# KiCad board jlcpcb_1x1.kicad_pcb (continued)
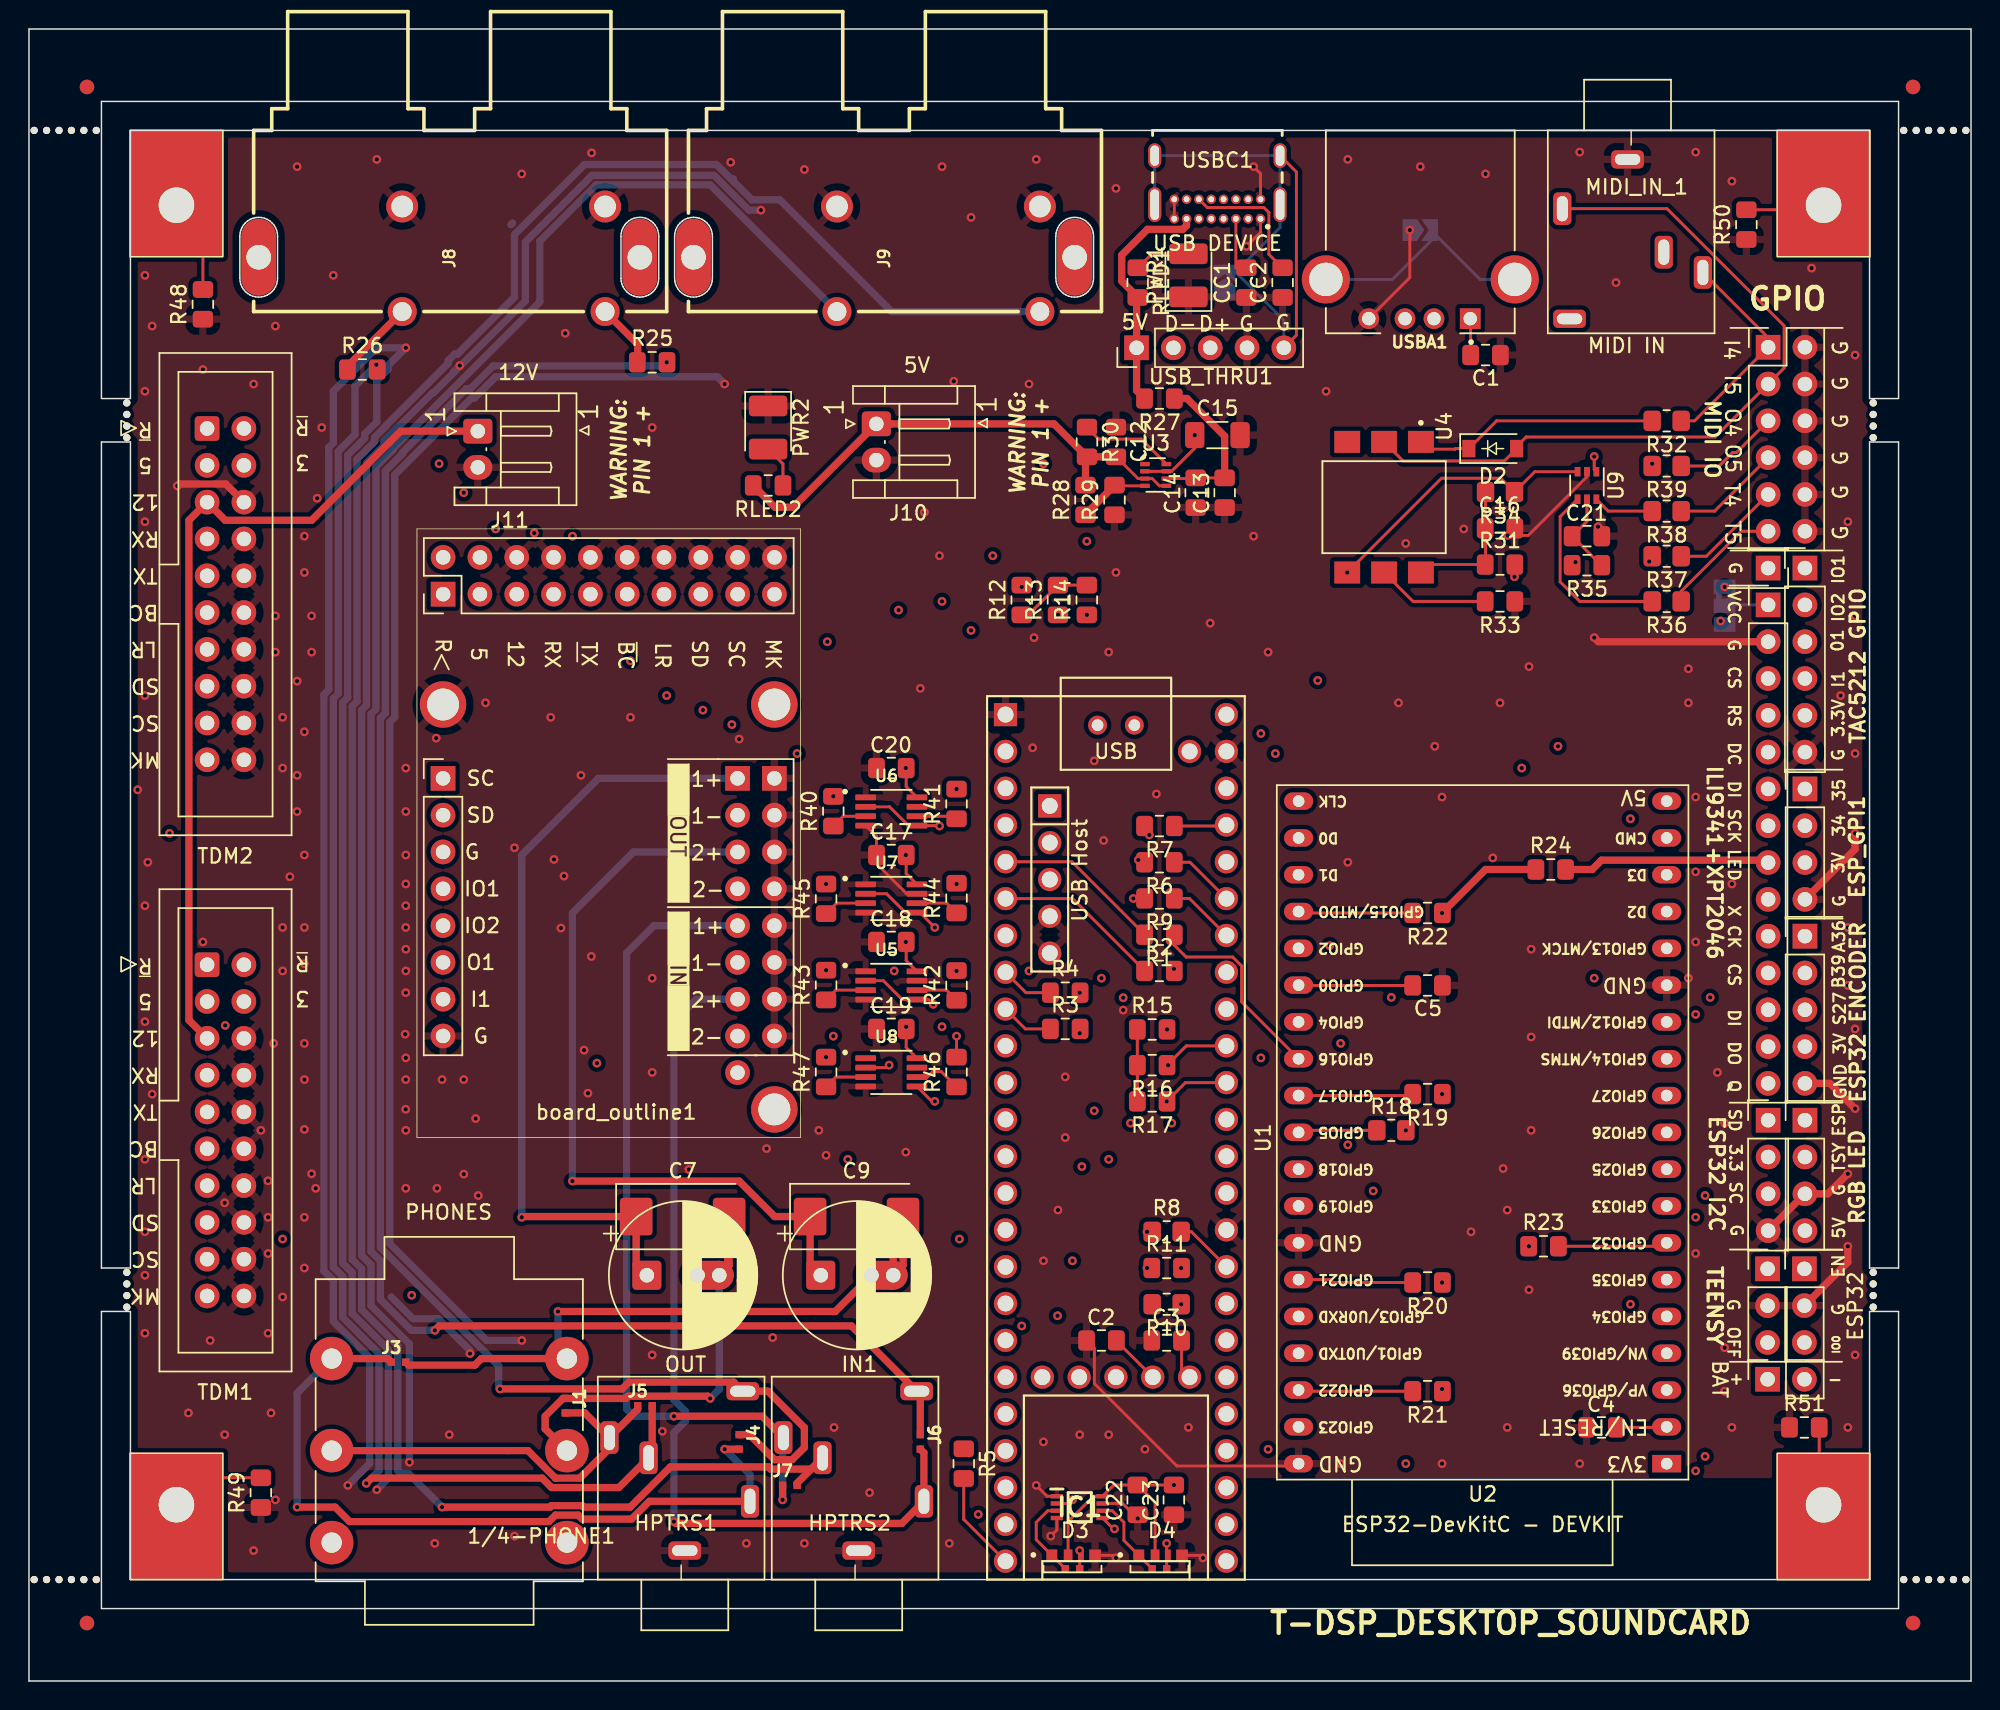
[diagram p0: board, top side]
## Library data of the parts (continued)
MIDI_IN_1 = -: Datasheet: Switchcraft; Description: Audio Jack - Conn 3.5MM Stereo Jack F 5 POS Solder RA Thru-Hole 5 Terminal 1 Port; Label: MIDI IN; Manufacturer: Switchcraft; Manufacturer_Part_Number: 35RAPC4BHN2; Package / Case: TH-JACK; LCSC: C4991754; LCSC TYPE: TH-JACK
MIDI_IO1 USB_THRU1 = -: Digikey: -; Manufacturer: -; Manufacturer_Part_Number: -; Package / Case: through-hole
PWR1 PWR2 = -: Package / Case: LED_1206; Manufacturer_Part_Number: through-hole; LCSC: C84270; LCSC TYPE: SMD
R1 R2 R5-R7 R9 R40-R47 = -: Description: RES SMD 100 OHM 1% 1/4W 0603; 2020-10-01 PARTS: RNCP0805FTD150R; Manufacturer: Bourns; Manufacturer_Part_Number: CMP0805AFX-1000ELF; Package / Case: R0805; Digikey: P100BYCT-ND; LCSC: C17720; LCSC TYPE: SMD
R3 R4 R25 R26 = -: 2020-10-01 PARTS: RNCP0805FTD150R; Package / Case: R0805; LCSC: C17720; LCSC TYPE: SMD
R8 = -: Package / Case: R0805; LCSC: C17557; LCSC TYPE: SMD
R10 = -: Description: RES SMD 100 OHM 1% 1/4W 0603; Digikey: P100BYCT-ND; Manufacturer: Bourns; Manufacturer_Part_Number: CMP0805AFX-1000ELF; Package / Case: R0805; LCSC TYPE: SMD; LCSC: C17720
R11 R19-R23 = -: Description: RES SMD 2.21 KOHM 1% 1/5W 0402; 2020-10-01 PARTS: RNCP0805FTD150R; Manufacturer_Part_Number: RC0805DR-072K2L; Package / Case: R0805; Digikey: ERJ-PA2F2211X-ND; Manufacturer: YAGEO; LCSC: C138019; LCSC TYPE: SMD
R12 R15 R27 R31 R35 R48-R51 = -: 2020-10-01 PARTS: RNCP0805FTD150R; Package / Case: R0805; LCSC: C17477; LCSC TYPE: SMD
R13 R14 R16 R17 = -: Description: RES 2.2K OHM 1% 1/8W 0402; 2020-10-01 PARTS: RNCP0805FTD150R; Package / Case: R0805; LCSC: C138019; LCSC TYPE: SMD
R18 = -: Package / Case: R0805; LCSC TYPE: SMD; LCSC: C17557
R24 = -: 2020-10-01 PARTS: RNCP0805FTD150R
R28 = -: 2020-10-01 PARTS: RNCP0805FTD150R; Manufacturer: -; Manufacturer_Part_Number: ERJ-PB6D5101V; Package / Case: R0805; Digikey: -; LCSC: C17484; LCSC TYPE: SMD
R32 R34 R37 R38 = -: Digikey: P100BYCT-ND; Manufacturer: Bourns; Manufacturer_Part_Number: CR0805-FX-2200ELF; Package / Case: R0805; LCSC: C17557; LCSC TYPE: SMD
R33 = -: 2020-10-01 PARTS: RNCP0805FTD150R; Package / Case: R0805; Manufacturer: Panasonic; Manufacturer_Part_Number: ERA-6AED152V; LCSC: C4310; LCSC TYPE: SMD
R36 R39 = -: Digikey: P100BYCT-ND; Manufacturer: YAGEO; Manufacturer_Part_Number: RC0805JR-0747RL; Package / Case: R0805; LCSC: C17557; LCSC TYPE: SMD
RLED1 RLED2 = -: 2020-10-01 PARTS: RNCP0805FTD150R; Manufacturer_Part_Number: CMP0805AFX-1000ELF; Package / Case: R0805; Digikey: P100BYCT-ND; Manufacturer: Bourns; LCSC: C138019; LCSC TYPE: SMD
U1 = -: Manufacturer: PJRC; Manufacturer_Part_Number: ~Teensy4.1; Package / Case: development-tool
U2 = -: Datasheet: https://docs.espressif.com/projects/esp-idf/zh_CN/latest/esp32/hw-reference/esp32/get-started-devkitc.html
U3 = -: Datasheet: https://www.ti.com/lit/ds/symlink/tps2116.pdf; Description: 2 Channnels Power Mux with Manual and Priority Switchover, 1.6-5.5V Input Voltage, 2.5A Output Current, Ron 40 mOhm, SOT-583-8; Package / Case: SOT-583-8; LCSC: C3235557; LCSC TYPE: SMD
U4 = -: Datasheet: https://www.onsemi.com/pub/Collateral/H11L3M-D.PDF; Manufacturer_Part_Number: H11L1SM; Package / Case: 6-SMD, Gull Wing (6.5 X 7.12); LCSC: C899473; LCSC TYPE: SMD
U5-U8 = -: Package / Case: SOP65P400X130-8N; LCSC: C206035; LCSC TYPE: SMD
U9 = -: Description: Non-Inverting Schmidt 5v TTL; Manufacturer_Part_Number: 74HCT2G17GW,125; Package / Case: SOT-363, SC-70-6; LCSC: C547568; LCSC TYPE: SMD
USBA1 = -: Datasheet: https://belfuse.com/resources/datasheets/stewartconnector/ds-stw-usb-2.0-and-3.0-connectors.pdf; Description: CONN RCPT USB2.0 TYPEA 4POS R/A; Digikey: 380-1412-ND; Manufacturer: Stewart Connector; Manufacturer_Part_Number: SS-52100-001; Label: USB HOST; Package / Case: TH-JACK; LCSC TYPE: TH-JACK; LCSC: C3197809
USBC1 = -: Label: USB DEVICE; MANUFACTURER: Global Connector Technology; MAXIMUM_PACKAGE_HEIGHT: 3.46 mm; PARTREV: A4; Package / Case: TH-JACK; SNAPEDA_PN: USB4085-GF-A; STANDARDD: Manufacturer Recommendations; LCSC: C7095263; LCSC TYPE: TH-JACK

## Footprints (pads in the part's own frame, mm; a bottom-side part is the same pattern mirrored in y, then rotated)
35RAPC3BH3
  rrect 2.25x1.25 hole 1.75x0.75: 1(-0.25,-2) 4(-4.25,-13)
  rrect 1.25x2.25 hole 0.75x1.75: 2(4.95,-9.8) 3(2.25,-8.4) 5(-4.75,-5.4)
audio_module_board_outline_50x34.5_d1_mod
  rect 1.7x1.7 hole 1: 1(4.505,1.805) 21(17.215,22.12) 22(17.215,24.66) 37(17.215,1.8)
  oval 1.7x1.7 hole 1: 2(1.965,1.805) 3(4.505,4.345) 4(1.965,4.345) 5(4.505,6.885) 6(1.965,6.885) 7(4.505,9.425) 8(1.965,9.425) 9(4.505,11.965) 10(1.965,11.965) 11(4.505,14.505) 12(1.965,14.505) 13(4.505,17.045) 14(1.965,17.045) 15(4.505,19.585) 16(1.965,19.585) 17(4.505,22.125) 18(1.965,22.125) 19(4.505,24.665) 20(1.965,24.665) 23(19.755,22.12) 24(19.755,24.66) 25(22.295,22.12) 26(22.295,24.66) 27(24.835,22.12) 28(24.835,24.66) 29(27.375,22.12) 30(27.375,24.66) 31(29.915,22.12) 32(29.915,24.66) 33(32.455,22.12) 34(32.455,24.66) 35(34.995,22.12) 36(34.995,24.66) 38(19.755,1.8) 39(22.295,1.8) 40(24.835,1.8) 41(27.375,1.8) 42(29.915,1.8) 43(32.455,1.8) 44(34.995,1.8) 48(37.52,22.12)
  round 3.2 hole 2.2: 49(12.12,24.66) 50(40.06,24.66) 51(12.12,1.8)
audio_project_board_outline_100x120
  round 3.45 hole 2.45: 1(5.16,3.175) 2(94.834,3.175) 3(5.16,116.825) 4(94.84,116.825)
  custom 8.81x6.5 smd: 1(5.16,3.175) 2(94.834,3.175) 3(5.16,116.825) 4(94.84,116.825)
BAT2_PinSocket_1x02_P2.54mm_Vertical
  rect 1.7x1.7 hole 1: 1(0,0)
  round 1.7 hole 1: 2(0,-2.54)
C_0805_2012Metric_Pad1.15x1.40mm_HandSolder
  rrect 1.15x1.4 smd: 1(-1.025,0) 2(1.025,0)
C_1206_3216Metric_Pad1.33x1.80mm_HandSolder
  rrect 1.325x1.8 smd: 1(-1.562,0) 2(1.562,0)
CP_Radial_D10.0mm_P5.00mm_AND_D8.0mm_P3.5mm
  rrect 2.245x2.59 smd: 1(-0.738,4.05) 2(5.678,4.05)
  rrect 2x2 hole 1: 1(0,0)
  round 2 hole 1: 2(3.5,0) 2(5,0)
  rect 1.5x2 smd: 2(4.25,0)
D_1210_3225Metric_Pad1.42x2.65mm_HandSolder
  rrect 1.425x2.65 smd: 1(-1.488,0) 2(1.488,0)
D_SOD-123
  rect 0.9x1.2 smd: 1(-1.65,0) 2(1.65,0)
E_PROG1_PinHeader_1x03_P2.54mm_Vertical
  rect 1.7x1.7 hole 1: 1(0,0)
  oval 1.7x1.7 hole 1: 2(0,-2.54) 3(0,-5.08)
ESP32-DevKitC_NO_COURTYARD
  rect 2x1.2 hole 0.8: 1(0,0)
  oval 2x1.2 hole 0.8: 2(0,-2.54) 3(0,-5.08) 4(0,-7.62) 5(0,-10.16) 6(0,-12.7) 7(0,-15.24) 8(0,-17.78) 9(0,-20.32) 10(0,-22.86) 11(0,-25.4) 12(0,-27.94) 13(0,-30.48) 14(0,-33.02) 15(0,-35.56) 16(0,-38.1) 17(0,-40.64) 18(0,-43.18) 19(0,-45.72) 20(25.396,-45.717) 21(25.396,-43.177) 22(25.4,-40.64) 23(25.4,-38.1) 24(25.4,-35.56) 25(25.4,-33.02) 26(25.4,-30.48) 27(25.4,-27.94) 28(25.4,-25.4) 29(25.4,-22.86) 30(25.4,-20.32) 31(25.4,-17.78) 32(25.4,-15.24) 33(25.4,-12.7) 34(25.4,-10.16) 35(25.4,-7.62) 36(25.4,-5.08) 37(25.4,-2.54) 38(25.4,0)
ESP_I2C_PinHeader_1x04_P2.54mm_Vertical
  rect 1.7x1.7 hole 1: 1(0,0)
  round 1.7 hole 1: 2(0,-2.54) 3(0,-5.08) 4(0,-7.62)
ESP_R_ENC0_PinHeader_1x05_P2.54mm_Vertical
  rect 1.7x1.7 hole 1: 1(0,0)
  oval 1.7x1.7 hole 1: 2(0,-2.54) 3(0,-5.08) 4(0,-7.62) 5(0,-10.16)
Fiducial
  round 1 smd: (0,0)
GCT_USB4085-GF-A_REVA4
  round 0.65 hole 0.4: A1(2.975,-6.1) A4(2.125,-6.1) A5(1.275,-6.1) A6(0.425,-6.1) A7(-0.425,-6.1) A8(-1.275,-6.1) A9(-2.125,-6.1) A12(-2.975,-6.1) B1(-2.975,-4.75) B4(-2.125,-4.75) B5(-1.275,-4.75) B6(-0.425,-4.75) B7(0.425,-4.75) B8(1.275,-4.75) B9(2.125,-4.75) B12(2.975,-4.75)
  oval 0.9x1.7 hole 0.6x1.4: S1(4.325,-1.74) S2(-4.325,-1.74)
  oval 0.9x2.4 hole 0.6x2.1: S3(4.325,-5.12) S4(-4.325,-5.12)
GPI1_PinHeader_1x04_P2.54mm_Vertical
  rect 1.7x1.7 hole 1: 1(0,0)
  oval 1.7x1.7 hole 1: 2(0,-2.54) 3(0,-5.08) 4(0,-7.62)
GPIO_GROUND_PinHeader_1x01_P2.54mm_Vertical
  rect 1.7x1.7 hole 1: 1(0,0)
IC_H11L1SM
  rect 1.52x1.78 smd: 1(-4.505,2.54) 2(-4.505,0) 3(-4.505,-2.54) 4(4.505,-2.54) 5(4.505,0) 6(4.505,2.54)
ILI9341_PinHeader_1x14_P2.54mm_Vertical
  rect 1.7x1.7 hole 1: 1(0,0)
  oval 1.7x1.7 hole 1: 2(0,-2.54) 3(0,-5.08) 4(0,-7.62) 5(0,-10.16) 6(0,-12.7) 7(0,-15.24) 8(0,-17.78) 9(0,-20.32) 10(0,-22.86) 11(0,-25.4) 12(0,-27.94) 13(0,-30.48) 14(0,-33.02)
Jack_6.35mm_Neutrik_NMJ6HCD3_Horizontal
  round 3 hole 1.4: R(-8.115,-8.9) RN(8.115,-8.9) S(-8.115,-2.55) SN(8.115,-2.55) T(-8.115,-15.25) TN(8.115,-15.25)
JST_EH_S2B-EH_1x02_P2.50mm_Horizontal
  rrect 1.7x2 hole 1: 1(0,0)
  oval 1.7x2 hole 1: 2(2.5,0)
jumper_slice_disconnected
  rect 0.508x0.508 smd: 1(-0.5,0) 2(0.5,0)
LED_GPIO_PinHeader_1x04_P2.54mm_Vertical
  rect 1.7x1.7 hole 1: 1(0,0)
  oval 1.7x1.7 hole 1: 2(0,-2.54) 3(0,-5.08) 4(0,-7.62)
MIDI_IO1
  rect 1.7x1.7 hole 1: 1(0,0)
  oval 1.7x1.7 hole 1: 2(2.54,0) 3(0,-2.54) 4(2.54,-2.54) 5(0,-5.08) 6(2.54,-5.08) 7(0,-7.62) 8(2.54,-7.62) 9(0,-10.16) 10(2.54,-10.16) 11(0,-12.7) 12(2.54,-12.7)
NPTH
  round 0.5 hole 0.5 unplated: (0,0)
PJRAS2X1S01X_MOD2
  custom 2.4x5.3 hole 1.7: 1(13.151,-8.75) 2(-13.149,-8.75)
  round 2.2 hole 1.5: S1(10.751,-5.25) S2(-3.249,-5.25)
  round 2 hole 1.3: T1(10.751,-12.5) T2(-3.249,-12.5)
R_0805_2012Metric_Pad1.15x1.40mm_HandSolder
  rrect 1.15x1.4 smd: 1(-1.025,0) 2(1.025,0)
R_0805_2012Metric_Pad1.20x1.40mm_HandSolder
  rrect 1.2x1.4 smd: 1(-1,0) 2(1,0)
SK6812-32228SMD-Reverse-Mount_mod
  rect 0.508x0.508 smd: 1(0.5,-0.25) 3(-0.5,-0.25)
  rect 0.75x0.8 smd: 1(1.425,-1.175)
  rect 0.6x0.8 smd: 2(0.3,-1.175)
  rect 0.4x0.8 smd: 3(-0.58,-1.175)
  rect 0.8x0.8 smd: 4(-1.56,-1.175)
SolderJumper-2_P1.3mm_Open_TrianglePad1.0x1.5mm
  custom 1.5x1.5 smd: 1(-0.725,0)
  custom 1.15x1.5 smd: 2(0.725,0)
SolderJumper-3_P1.3mm_Bridged2Bar12_Pad1.0x1.5mm_NumberLabels
  rect 1x1.5 smd: 1(-1.3,0) 2(0,0) 3(1.3,0)
SOP50P310X100-8N
  rect 0.85x0.3 smd: 1(-1.575,0.75) 2(-1.575,0.25) 3(-1.575,-0.25) 4(-1.575,-0.75) 5(1.575,-0.75) 6(1.575,-0.25) 7(1.575,0.25) 8(1.575,0.75)
SOP65P400X130-8N
  rrect 1.42x0.4 smd: 1(-1.77,0.975) 2(-1.77,0.325) 3(-1.77,-0.325) 4(-1.77,-0.975) 5(1.77,-0.975) 6(1.77,-0.325) 7(1.77,0.325) 8(1.77,0.975)
SOT-363_SC-70-6
  rect 0.65x0.4 smd: 1(-0.95,0.65) 2(-0.95,0) 3(-0.95,-0.65) 4(0.95,-0.65) 5(0.95,0) 6(0.95,0.65)
SOT-583-8
  rrect 0.67x0.3 smd: 1(-0.74,0.75) 2(-0.74,0.25) 3(-0.74,-0.25) 4(-0.74,-0.75) 5(0.74,-0.75) 6(0.74,-0.25) 7(0.74,0.25) 8(0.74,0.75)
T-DSP_Expansion_Header_2x10_ALT_GND
  rrect 1.7x1.7 hole 1: 1(11.43,-3.29)
  round 1.7 hole 1: 2(11.43,-5.83) 3(8.89,-3.29) 4(8.89,-5.83) 5(6.35,-3.29) 6(6.35,-5.83) 7(3.81,-3.29) 8(3.81,-5.83) 9(1.27,-3.29) 10(1.27,-5.83) 11(-1.27,-3.29) 12(-1.27,-5.83) 13(-3.81,-3.29) 14(-3.81,-5.83) 15(-6.35,-3.29) 16(-6.35,-5.83) 17(-8.89,-3.29) 18(-8.89,-5.83) 19(-11.43,-3.29) 20(-11.43,-5.83)
T_PROG1_PinHeader_1x03_P2.54mm_Vertical
  rect 1.7x1.7 hole 1: 1(0,0)
  oval 1.7x1.7 hole 1: 2(0,-2.54) 3(0,-5.08)
TAC5212 GPIO_PinHeader_1x06_P2.54mm_Vertical
  rect 1.7x1.7 hole 1: 1(0,0)
  round 1.7 hole 1: 2(0,-2.54) 3(0,-5.08) 4(0,-7.62) 5(0,-10.16) 6(0,-12.7)
TE_292303-5_USB_A
  rect 1.428x1.428 hole 0.92: 1(-3.445,12.99)
  round 1.428 hole 0.92: 2(-0.945,12.99) 3(1.055,12.99) 4(3.555,12.99)
  round 3.316 hole 2.3: 5(-6.515,10.28) 5(6.515,10.28)
Teensy41_mod3
  rect 1.6x1.6 hole 1.1: 1(7.62,-59.69) 55(4.569,-53.391)
  round 1.6 hole 1.1: 2(7.62,-57.15) 3(7.62,-54.61) 4(7.62,-52.07) 5(7.62,-49.53) 6(7.62,-46.99) 7(7.62,-44.45) 8(7.62,-41.91) 9(7.62,-39.37) 10(7.62,-36.83) 11(7.62,-34.29) 12(7.62,-31.75) 13(7.62,-29.21) 14(7.62,-26.67) 15(7.62,-24.13) 16(7.62,-21.59) 17(7.62,-19.05) 18(7.62,-16.51) 19(7.62,-13.97) 20(7.62,-11.43) 21(7.62,-8.89) 22(7.62,-6.35) 23(7.62,-3.81) 24(7.62,-1.27) 25(-7.62,-1.27) 26(-7.62,-3.81) 27(-7.62,-6.35) 28(-7.62,-8.89) 29(-7.62,-11.43) 30(-7.62,-13.97) 31(-7.62,-16.51) 32(-7.62,-19.05) 33(-7.62,-21.59) 34(-7.62,-24.13) 35(-7.62,-26.67) 36(-7.62,-29.21) 37(-7.62,-31.75) 38(-7.62,-34.29) 39(-7.62,-36.83) 40(-7.62,-39.37) 41(-7.62,-41.91) 42(-7.62,-44.45) 43(-7.62,-46.99) 44(-7.62,-49.53) 45(-7.62,-52.07) 46(-7.62,-54.61) 47(-7.62,-57.15) 48(-7.62,-59.69) 49(-5.08,-57.15) 50(5.08,-13.97) 51(2.54,-13.97) 52(0,-13.97) 53(-2.54,-13.97) 54(-5.08,-13.97) 56(4.569,-50.851) 57(4.569,-48.311) 58(4.569,-45.771) 59(4.569,-43.231)
  round 1.3 hole 0.8: 66(-1.27,-58.96) 67(1.27,-58.96)
USB_IN1
  rect 1.7x1.7 hole 1: 1(0,0)
  oval 1.7x1.7 hole 1: 2(0,-2.54) 3(0,-5.08) 4(0,-7.62) 5(0,-10.16)

## Nets
Board_0-2_OUT2: U1.4 U2.8
Board_0-3.3V: board_outline1.4 C17.1 C18.1 C19.1 C20.1 D1.5 ESP_I1.2 ESP_R_ENC1.4 GPI1.3 ILI_VCC1.3 R11.1 R12.2 R15.2 R19.1 R20.1 R21.1 R22.1 R23.1 R24.1 R31.2 TDM1.4 TDM2.4 U1.46 U5.8 U6.8 U7.8 U8.8
Board_0-3_LRCLK2: R1.1 U2.27
Board_0-4_BCLK2: R2.2 U2.10
Board_0-5_IN2: U1.7 U2.9
Board_0-5V: board_outline1.3 C15.1 C22.1 C23.1 D3.2 D4.2 IC1.8 ILI_VCC1.1 J12.4 R35.2 R37.2 R39.2 TDM1.3 TDM2.3 U1.48 U2.19 U3.2 U3.7
Board_0-5V_JST: C12.1 J10.1 R28.2 R30.2 RLED2.2 U3.3 U3.5
Board_0-5V_USB: R27.2 RLED1.2 USB_THRU1.1 USBC1.A4 USBC1.A9 USBC1.B4 USBC1.B9
Board_0-6_OUT1D: R4.2 U8.5
Board_0-6_OUT1D+: R47.2 TDM1.9
Board_0-7_OUT1A: R3.2 U8.2
Board_0-7_OUT1A+: board_outline1.7 R46.2 TDM2.9
Board_0-8_IN1: board_outline1.9 TDM2.7 U1.10
Board_0-9_OUT1C_INPUT: TDM1.7 U1.11
Board_0-12V: J11.1 TDM1.5 TDM2.5
Board_0-32_OUT1B: R5.1
Board_0-34_RX8_RESET2: board_outline1.2 TDM1.2 TDM2.2 U1.26
Board_0-35_TX8_RESET: board_outline1.1 R11.2 TDM1.1 TDM2.1 U1.27
Board_0-53_T_PROG: C2.1 T_PROG1.1 U1.53
Board_0-54_ON_OFF: C3.1 T_PROG1.3 U1.54
Board_0-/AUDIO_IN1P: board_outline1.29 HPTRS2.2 J7.2
Board_0-/AUDIO_IN2P: board_outline1.33 HPTRS2.5 J6.1
Board_0-/AUDIO_OUT2P: board_outline1.25 C9.1
Board_0-/AUDIO_OUTP: board_outline1.21 C7.1
Board_0-/ESP32_IO1: U1.20 U2.35
Board_0-/ESP32_IO3: U1.21 U2.34
Board_0-/ESP32_IO21_SDA: ESP_I1.1 R20.2 U2.33
Board_0-/ESP32_IO22_SCL: ESP_I1.3 R21.2 U2.36
Board_0-/OUTPUTA: ESP_R_ENC1.1 U1.32 U2.3
Board_0-/OUTPUTB: ESP_R_ENC1.2 U1.31 U2.4
Board_0-/SWITCH: ESP_R_ENC1.3 U1.30 U2.11
Board_0-BCLK1: R6.2 U7.2 U7.5
Board_0-BCLK1+TDM1: board_outline1.11 R44.2 TDM2.11
Board_0-BCLK1+TDM2: R45.2 TDM1.11
Board_0-DEVICE_D1+: U1.67 USB_THRU1.3 USBC1.A6
Board_0-DEVICE_D1-: U1.66 USB_THRU1.2 USBC1.A7
Board_0-ESP32_3.3V: U2.1
Board_0-ESP32_EN: C4.1 ESP_PROG1.1 U1.29 U2.2
Board_0-ESP32_IO0: C5.1 ESP_PROG1.3 U1.28 U2.25
Board_0-ESP32_IO12_SPI_MISO: U1.14 U2.13
Board_0-ESP32_IO13_SPI_MOSI: U1.13 U2.15
Board_0-ESP32_IO14_SPI_SCK: U1.35 U2.12
Board_0-ESP32_IO33_SPI_CS: R19.2 U1.12 U2.28
Board_0-ESP32_LED: IC1.2 R18.2
Board_0-ESP32_LED+: D4.1 IC1.6
Board_0-ESP32_LED_OUT: D4.3 J12.1
Board_0-GND: board_outline1.6 board_outline1.8 board_outline1.10 board_outline1.12 board_outline1.14 board_outline1.16 board_outline1.18 board_outline1.20 board_outline1.22 board_outline1.24 board_outline1.26 board_outline1.28 board_outline1.30 board_outline1.32 board_outline1.34 board_outline1.36 board_outline1.44 board_outline1.51 C1.2 C2.2 C3.2 C4.2 C5.2 C12.2 C13.2 C14.2 C15.2 C16.1 C17.2 C18.2 C19.2 C20.2 C21.1 C22.2 C23.2 CC1.1 CC2.1 D1.6 D3.4 D4.4 ESP_I1.4 ESP_PROG1.2 ESP_R_ENC1.5 G1.1 G2.1 GPI1.4 HPTRS1.1 HPTRS2.1 IC1.1 IC1.4 IC1.7 ILI1.2 J8.S1 J8.S2 J9.S1 J9.S2 J10.2 J11.2 J12.3 MIDI_IN_1.1 MIDI_IO1.2 MIDI_IO1.4 MIDI_IO1.6 MIDI_IO1.8 MIDI_IO1.10 MIDI_IO1.12 PWR1.1 PWR2.1 R29.1 R33.1 R48.1 R49.1 R50.1 R51.1 T_PROG1.2 TDM1.6 TDM1.8 TDM1.10 TDM1.12 TDM1.14 TDM1.16 TDM1.18 TDM1.20 TDM2.6 TDM2.8 TDM2.10 TDM2.12 TDM2.14 TDM2.16 TDM2.18 TDM2.20 U1.1 U1.34 U1.47 U1.58 U1.59 U2.14 U2.32 U2.38 U5.1 U5.4 U5.7 U6.1 U6.4 U6.7 U7.1 U7.4 U7.7 U8.4 U9.2 USB_THRU1.4 USBA1.4 USBC1.A1 USBC1.A12 USBC1.B1 USBC1.B12
Board_0-HOST_5V: C1.1 U1.55 USBA1.1
Board_0-HOST_D1+: U1.57 USBA1.3
Board_0-HOST_D1-: U1.56 USBA1.2
Board_0-IN2_JACK_DETECT: U1.18
Board_0-LRCK1: R9.2 U5.2 U5.5
Board_0-LRCK1+TDM1: board_outline1.13 R42.2 TDM2.13
Board_0-LRCK1+TDM2: R43.2 TDM1.13
Board_0-MCLK1: R7.2 U6.2 U6.5
Board_0-MCLK1+TDM1: board_outline1.19 R41.2 TDM2.19
Board_0-MCLK1+TDM2: R40.2 TDM1.19
Board_0-MCLK2: R10.2
Board_0-MIDI_IN_4: MIDI_IN_1.2 MIDI_IO1.1 R32.1
Board_0-MIDI_IN_5: D2.2 MIDI_IN_1.5 MIDI_IO1.3 U4.2
Board_0-MIDI_OUT_4: MIDI_IO1.5 R39.1
Board_0-MIDI_OUT_5: MIDI_IO1.7 R38.1
Board_0-MIDI_RX: R34.1 U1.2 U4.4 U9.3
Board_0-MIDI_THRU_4: MIDI_IO1.9 R37.1
Board_0-MIDI_THRU_5: MIDI_IO1.11 R36.1
Board_0-MIDI_TX_T: U1.3 U9.1
Board_0-Net-(1/4-PHONE1-PadR): 1/4-PHONE1.R C7.2 J1.2
Board_0-Net-(1/4-PHONE1-PadRN): 1/4-PHONE1.RN HPTRS1.2 J1.1 J5.2
Board_0-Net-(1/4-PHONE1-PadT): 1/4-PHONE1.T C9.2 J3.1
Board_0-Net-(1/4-PHONE1-PadTN): 1/4-PHONE1.TN HPTRS1.5 J3.2 J4.1
Board_0-Net-(BAT1-Pin_1): BAT1.1 U1.50
Board_0-Net-(BAT1-Pin_2): BAT1.2 U1.52
Board_0-Net-(C16-Pad2): C16.2 R31.1 R34.2 U4.6
Board_0-Net-(D1-Pin_1): board_outline1.40 D1.1
Board_0-Net-(D1-Pin_2): board_outline1.41 D1.2
Board_0-Net-(D1-Pin_3): board_outline1.42 D1.3
Board_0-Net-(D1-Pin_4): board_outline1.43 D1.4
Board_0-Net-(D2-K): D2.1 R32.2 U4.1
Board_0-Net-(GPI1-Pin_1): GPI1.1 U2.6
Board_0-Net-(GPI1-Pin_2): GPI1.2 U2.5
Board_0-Net-(HPTRS1-Pad3): HPTRS1.3 J5.1 R26.2
Board_0-Net-(HPTRS1-Pad4): HPTRS1.4 J4.2 R25.2
Board_0-Net-(HPTRS2-Pad3): HPTRS2.3 J7.1 J9.T1
Board_0-Net-(HPTRS2-Pad4): HPTRS2.4 J6.2 J9.T2
Board_0-Net-(ILI1-CS): ILI1.3 R22.2 U2.23
Board_0-Net-(ILI1-DC): ILI1.5 U2.24
Board_0-Net-(ILI1-LED_(3.3V)): ILI1.8 R24.2
Board_0-Net-(ILI1-RESET): ILI1.4 U2.26
Board_0-Net-(ILI1-SCK): ILI1.7 ILI1.10 U2.30
Board_0-Net-(ILI1-SDI(MOSI)): ILI1.6 ILI1.12 U2.37
Board_0-Net-(ILI1-SDO(MISO)): ILI1.9 ILI1.13 U2.31
Board_0-Net-(ILI1-T_CS): ILI1.11 R23.2 U2.7
Board_0-Net-(ILI1-VCC_(5V)): ILI1.1 ILI_VCC1.2
Board_0-Net-(J8-PadT1): J8.T1 R25.1
Board_0-Net-(J8-PadT2): J8.T2 R26.1
Board_0-Net-(PWR1-A): PWR1.2 RLED1.1
Board_0-Net-(PWR2-A): PWR2.2 RLED2.1
Board_0-Net-(R12-Pad1): R12.1 R13.2 R14.2
Board_0-Net-(R15-Pad1): R15.1 R16.2 R17.2
Board_0-Net-(R33-Pad2): R33.2 U4.5
Board_0-Net-(R36-Pad2): R36.2 U9.4
Board_0-Net-(R38-Pad2): R38.2 U9.6
Board_0-Net-(R48-Pad2): board_outline2.1 R48.2
Board_0-Net-(R49-Pad2): board_outline2.2 R49.2
Board_0-Net-(R50-Pad2): board_outline2.3 R50.2
Board_0-Net-(R51-Pad2): board_outline2.4 R51.2
Board_0-Net-(U1-3_LRCLK2): R1.2 U1.5
Board_0-Net-(U1-4_BCLK2): R2.1 U1.6
Board_0-Net-(U1-6_OUT1D): R4.1 U1.8
Board_0-Net-(U1-7_RX2_OUT1A): R3.1 U1.9
Board_0-Net-(U1-20_A6_TX5_LRCLK1): R9.1 U1.42
Board_0-Net-(U1-21_A7_RX5_BCLK1): R6.1 U1.43
Board_0-Net-(U1-23_A9_CRX1_MCLK1): R7.1 U1.45
Board_0-Net-(U1-32_OUT1B): R5.2 U1.24
Board_0-Net-(U1-33_MCLK2): R10.1 U1.25
Board_0-Net-(U1-41_A17): R8.2 U1.33
Board_0-Net-(U2-*GPIO5): R18.1 U2.29
Board_0-Net-(U3-PR1): R28.1 R29.2 U3.4
Board_0-Net-(U3-ST): R30.1 U3.8
Board_0-Net-(U5-1Y): R42.1 U5.6
Board_0-Net-(U5-2Y): R43.1 U5.3
Board_0-Net-(U6-1Y): R41.1 U6.6
Board_0-Net-(U6-2Y): R40.1 U6.3
Board_0-Net-(U7-1Y): R44.1 U7.6
Board_0-Net-(U7-2Y): R45.1 U7.3
Board_0-Net-(U8-1Y): R46.1 U8.6
Board_0-Net-(U8-2Y): R47.1 U8.3
Board_0-Net-(U9C-VCC): C21.2 R35.1 U9.5
Board_0-Net-(USBC1-CC1): CC1.2 USBC1.A5
Board_0-Net-(USBC1-CC2): CC2.2 USBC1.B5
Board_0-S-GND: 1/4-PHONE1.S
Board_0-SCL0: board_outline1.17 R13.1 TDM2.17 U1.41
Board_0-SCL1: R17.1 TDM1.17 U1.38
Board_0-SDA0: board_outline1.15 R14.1 TDM2.15 U1.40
Board_0-SDA1: R16.1 TDM1.15 U1.39
Board_0-SN: 1/4-PHONE1.SN
Board_0-T_BUTTON1: U1.16
Board_0-T_BUTTON2: U1.17
Board_0-TEENSY_LED: IC1.5 R8.1
Board_0-TEENSY_LED+: D3.1 IC1.3
Board_0-TEENSY_LED_OUT: D3.3 J12.2
Board_0-unconnected-(board_outline1-12V-Pad5): board_outline1.5
Board_0-unconnected-(board_outline1-AGND-Pad49): board_outline1.49
Board_0-unconnected-(board_outline1-AGND-Pad50): board_outline1.50
Board_0-unconnected-(board_outline1-GNDD-Pad39): board_outline1.39
Board_0-unconnected-(board_outline1-IN1M-Pad31): board_outline1.31
Board_0-unconnected-(board_outline1-IN2M-Pad35): board_outline1.35
Board_0-unconnected-(board_outline1-MIC_BIAS-Pad48): board_outline1.48
Board_0-unconnected-(board_outline1-OUT1M-Pad23): board_outline1.23
Board_0-unconnected-(board_outline1-OUT2M-Pad27): board_outline1.27
Board_0-unconnected-(board_outline1-SCL-Pad37): board_outline1.37
Board_0-unconnected-(board_outline1-SDA-Pad38): board_outline1.38
Board_0-unconnected-(ILI1-T_IRQ-Pad14): ILI1.14
Board_0-unconnected-(J2-Pin_1-Pad1): J2.1
Board_0-unconnected-(MIDI_IN_1-Pad3): MIDI_IN_1.3
Board_0-unconnected-(MIDI_IN_1-Pad4): MIDI_IN_1.4
Board_0-unconnected-(U1-3V3-Pad15): U1.15
Board_0-unconnected-(U1-3V3-Pad51): U1.51
Board_0-unconnected-(U1-14_A0_TX3_SPDIF_OUT-Pad36): U1.36
Board_0-unconnected-(U1-15_A1_RX3_SPDIF_IN-Pad37): U1.37
Board_0-unconnected-(U1-22_A8_CTX1-Pad44): U1.44
Board_0-unconnected-(U1-27_A13_SCK1-Pad19): U1.19
Board_0-unconnected-(U1-30_CRX3-Pad22): U1.22
Board_0-unconnected-(U1-31_CTX3-Pad23): U1.23
Board_0-unconnected-(U1-VUSB-Pad49): U1.49
Board_0-unconnected-(U2-CMD-Pad18): U2.18
Board_0-unconnected-(U2-SD_CLK/GPIO6-Pad20): U2.20
Board_0-unconnected-(U2-SD_DATA0/GPIO7-Pad21): U2.21
Board_0-unconnected-(U2-SD_DATA1/GPIO8-Pad22): U2.22
Board_0-unconnected-(U2-SD_DATA2/GPIO9-Pad16): U2.16
Board_0-unconnected-(U2-SD_DATA3/GPIO10-Pad17): U2.17
Board_0-unconnected-(U3-GND-Pad1): U3.1
Board_0-unconnected-(U4-Pad3): U4.3
Board_0-unconnected-(U8-~{1OE}-Pad1): U8.1
Board_0-unconnected-(U8-~{2OE}-Pad7): U8.7
Board_0-unconnected-(USBC1-DN2-PadB7): USBC1.B7
Board_0-unconnected-(USBC1-DP2-PadB6): USBC1.B6
Board_0-unconnected-(USBC1-SBU1-PadA8): USBC1.A8
Board_0-unconnected-(USBC1-SBU2-PadB8): USBC1.B8
Board_0-USB_SHIELD: G2.2 USB_THRU1.5 USBC1.S1 USBC1.S2 USBC1.S3 USBC1.S4
Board_0-USB_SHIELD2: G1.2 USBA1.5
Board_0-VIN2_SECONDARY: C13.1 C14.1 R27.1 U3.6

Pads without a net: J8 1 2; J9 1 2

## Via types
v1: diameter 0.6, hole 0.3, Top to Bottom, 356 vias

## Routing (per net, layer and track width the routed paths; a pad name or vN(x,y) marks a point on that pad's centre or on a via; arc(x,y) is an arc through that point)
Board_0-2_OUT2: length 72.2
  In2.Cu w0.2: U1.4 67.65,59.34 81.4,59.34 82.18,60.12 86.6,60.12 87.22,59.5 v1(110.5,59.5)
  In4.Cu w0.2: v1(110.5,59.5) 110,59 110,35.38 112.6,32.78 U2.8
Board_0-3.3V: length 348
  Top w0.2: U7.8 60.53,55.72 C17.1 ; 68.49,75.69 68.49,75.51 v1(68.5,75.5) ; U5.8 60.53,49.72 C18.1 ; U8.8 60.53,43.72 v1(60.53,45.15) ; U6.8 60.53,61.72 C20.1
  Top w0.5: R24.1 100.5,56 v1(97.5,53) ; v1(102.5,76.2) 102.5,77.05
  In3.Cu w0.5: 60.5,45 61,45.5 62.22,45.5 62.67,45.95 63.33,45.95 63.78,45.5 66.55,45.5 66.88,45.17 67.88,45.17 68.21,45.5 77.98,45.5 v1(78.52,44.96)
  In5.Cu w0.5: v1(97.5,27.5) v1(97.5,40.5) v1(97.5,53) 91.32,59.18 85.05,59.18 U1.46 ; v1(97.5,27.5) v1(97.5,20.15) ; v1(97.5,27.5) 99.5,27.5 102,30 v1(103.5,30) ; v1(60.5,63) v1(60.5,57) v1(60.5,51) 60.5,45.17 v1(60.53,45.15) ; v1(60.5,63) 60,63 53.61,69.39 37.5,69.39 32.4,74.48 32.4,76.25 board_outline1.4 25.76,82.89 25.5,82.89 24.5,83.89 TDM2.4 16.08,82.64 16.08,48.14 TDM1.4 ; v1(60.5,63) 66.5,69 66.5,73.5 v1(68.5,75.5) ; U1.46 93.01,72 98.5,72 101,74.5 101,74.7 v1(102.5,76.2) 105.3,76.2 108.5,73 115,73 ; U1.46 80.5,59.49 80.5,46 79.46,44.96 v1(78.52,44.96) 78.54,44.96 80.5,43 80.5,35.5 79,34 79,30 77.5,28.5 v1(77.14,28.5) ; 115,73 116.91,73 119.48,70.43 120.52,70.43 121.25,69.7 121.25,68.66 120.88,68.3 D1.5 124,65.18 124,57.94 GPI1.3 123.79,55.23 123.79,45.03 ESP_R_ENC1.4 121.29,42.53 121.29,37.45 ESP_I1.2 ; 115,73 116.58,73 116.72,73.14 v1(116.72,73.15)
  Bottom w0.2: ILI_VCC1.3 116.77,72.9 116.72,72.94 v1(116.72,73.15)
Board_0-3_LRCLK2: length 14
  Top w0.2: 79,51.5 79,50.8 79.84,49.96 83.06,49.96 83.67,49.35 83.67,46.87 U2.27
Board_0-4_BCLK2: length 46.7
  In2.Cu w0.2: v1(78.85,38.5) 80.88,38.5 82.18,39.8 84.7,39.8 85.79,38.71 112.15,38.71 U2.10
  In4.Cu w0.2: v1(78.85,38.5) 79.15,38.8 79.15,40.77 79,40.92 79,41.97 79.25,42.22 79.25,42.76 79,43.01 79,44.52 79.17,44.69 79.17,45.24 79,45.42 v1(79,49.15)
Board_0-5_IN2: length 57.9
  In2.Cu w0.2: v1(74.5,36) 75.34,35.16 86.16,35.16 86.85,34.47 112.15,34.47 U2.9
  In4.Cu w0.2: v1(74.5,36) 74.5,44.33 U1.7
Board_0-5V: length 82.4
  Top w0.2: D4.2 77.7,12.33 C22.1 ; v1(79,13.53) C22.1 ; C22.1 74.85,13.53 IC1.8 73.45,12.75 71.7,11 D3.2 ; U3.2 U3.7 78.84,83.47 80.44,85.08 v1(80.44,85.97) ; R39.2 v1(112,84) ; v1(111.79,77.25) 111.79,77.52 111.89,77.62 R37.2
  In5.Cu w0.5: TDM2.3 13.54,82.64 13.54,48.14 TDM1.3 ; v1(117,75.5) 117,79 v1(112,84) 112,77.46 v1(111.79,77.25) 111.54,77 106.92,77 v1(106.71,77.21)
Board_0-5V_JST: length 35.3
  Top w0.2: U3.5 78,82.47 77.5,82.97 U3.3 76.53,82.97 75,84.5
  Top w0.5: R30.2 70.72,86.75 J10.1 52.72,81 51.47,81 RLED2.2 ; R30.2 74.97,84.47 75,84.5 ; R30.2 72.9,84.38 72.9,82.5
Board_0-5V_USB: length 24.5
  Top w0.5: USBC1.A9 79.88,100.44 79.61,100.17 77.17,100.17 75.4,98.4 75.4,96.6 76.5,95.5 76.42,95.42 USB_THRU1.1 76.42,89.05 R27.2
  In5.Cu w0.5: USBC1.A4 USBC1.B9 84.12,102.71 83.86,102.98 80.14,102.98 79.88,102.71 USBC1.B4 USBC1.A9
Board_0-6_OUT1D: length 17.5
  Top w0.2: U8.5 62.29,40 v1(62.5,40)
  In2.Cu w0.2: v1(63,45.15) 63.15,45.15 65.24,47.24 66.76,47.24 67.02,47.5 v1(72.5,47.5)
  In4.Cu w0.2: v1(63,45.15) 63,40.5 v1(62.5,40)
Board_0-6_OUT1D+: length 45.1
  In2.Cu w0.2: v1(55,43.05) 52.42,43.05 49.8,40.44 39.61,40.44 38.84,41.21 38.3,41.21 37.52,40.44 23.89,40.44 23.73,40.28 23.19,40.28 23.03,40.44 13.46,40.44 TDM1.9
Board_0-7_OUT1A: length 15.8
  Top w0.2: U8.2 59.17,42.33 v1(59.35,42.5)
  In2.Cu w0.2: v1(59.35,42.5) 67.97,42.5 70.17,44.7 v1(72.5,44.7)
Board_0-7_OUT1A+: length 84.9
  Top w0.2: R46.2 v1(64,44.5)
  In2.Cu w0.2: TDM2.9 13.56,75 19.78,75 21.28,73.5 34.69,73.5 board_outline1.7 39.48,71.72 v1(55.09,71.72) ; v1(64,44.5) v1(55.5,44.5)
  In4.Cu w0.2: v1(55.5,44.5) 55.5,48.63 55.65,48.78 55.65,49.32 55.5,49.47 55.5,53.58 54.35,54.73 54.35,55.27 55.5,56.42 55.5,60.13 54.85,60.78 54.85,61.32 55.5,61.97 55.5,71.3 v1(55.09,71.72)
Board_0-8_IN1: length 90.2
  In2.Cu w0.2: TDM2.7 13.73,77.37 23.6,77.37 23.94,77.72 24.95,77.72 26.56,76.1 37.63,76.1 board_outline1.9 ; v1(39.19,42.64) 39.96,43.41 54.44,43.41 54.73,43.7 55.27,43.7 55.56,43.41 61.5,43.41 61.92,43.83 U1.10
  In4.Cu w0.2: v1(39.19,42.64) 39.73,43.18 39.73,74 board_outline1.9
Board_0-9_OUT1C_INPUT: length 62.2
  In2.Cu w0.2: U1.11 63.48,37.39 50.62,37.39 50.23,37 16.12,37 14.95,38.17 11.83,38.17 11.19,38.81 11.19,40.71 TDM1.7
Board_0-12V: length 59.8
  Top w0.5: TDM1.5 11.04,45.6 11.04,80.1 TDM2.5 13.54,80.1 19.5,80.1 25.65,86.25 J11.1
Board_0-34_RX8_RESET2: length 159.8
  In2.Cu w0.2: board_outline1.2 26.11,80 20.5,80 14.83,85.67 TDM2.2 ; v1(17.5,30.5) v1(64.2,30.5) ; v1(65.5,11.5) 65.86,11.86 81.57,11.86 U1.26
  In4.Cu w0.2: TDM2.2 15.93,85.33 15.93,50.53 TDM1.2 17.5,46.76 v1(17.5,30.5) ; v1(65.5,11.5) 64.5,12.5 64.5,30.2 v1(64.2,30.5)
Board_0-35_TX8_RESET: length 186.2
  In2.Cu w0.2: v1(26.41,26.62) 26.54,26.49 66.33,26.49 67.34,27.5 78.5,27.5 v1(79.5,28.5) ; TDM2.1 13.39,87.53 24.47,87.53 28,84 v1(28.3,84)
  In4.Cu w0.2: TDM1.1 13.39,50.53 13.39,85.33 TDM2.1 ; U1.27 81.13,14.84 81.13,26.87 v1(79.5,28.5) ; v1(26.41,26.62) 27.5,27.71 27.5,44.02 27.47,44.05 27.47,44.97 27.5,45 27.5,46.56 27.47,46.59 27.47,47.51 27.5,47.54 27.5,49.1 27.47,49.13 27.47,50.05 27.5,50.08 27.5,51.64 27.47,51.67 27.47,52.59 27.5,52.62 27.5,54.18 27.47,54.21 27.47,55.13 27.5,55.16 27.5,56.72 27.47,56.75 27.47,57.67 27.5,57.7 27.5,59.26 27.47,59.29 27.47,60.21 27.5,60.24 27.5,61.19 27.47,61.19 27.47,63.39 27.5,63.39 27.5,65.84 26.72,66.62 26.72,68.15 27.5,68.93 27.5,69 28.57,70.08 board_outline1.1 27.47,76.1 27.47,83.17 v1(28.3,84)
Board_0-53_T_PROG: length 51.8
  Top w0.2: U1.53 75.03,23.48 C2.1
  In2.Cu w0.2: U1.53 79.03,22.46 84.04,22.46 85.57,20.93 109.3,20.93 110,21.63 113.63,21.63 116.25,24.25 116.25,26.75 117.94,28.44 T_PROG1.1
Board_0-54_ON_OFF: length 46.1
  Top w0.2: C3.1 79.53,21.53 U1.54
  In2.Cu w0.2: T_PROG1.3 117.67,21.07 111,21.07 109.02,19.09 86.91,19.09 83.98,22.02 81.13,22.02 U1.54
Board_0-/AUDIO_IN1P: length 56.9
  Top w0.5: v1(44.5,18.27) 50.58,18.27 HPTRS2.2 ; J7.2 v1(52,12.5)
  Bottom w0.5: v1(52,12.5) 52,16.75 HPTRS2.2 ; board_outline1.29 43.13,52.13 41.23,50.23 41.23,18.77 41.73,18.27 v1(44.5,18.27)
Board_0-/AUDIO_IN2P: length 61.8
  Top w0.5: J6.1 61.75,15.75 HPTRS2.5 60.22,10.87 44.63,10.87 v1(44.5,11)
  Bottom w0.5: board_outline1.33 46.05,47.05 44.5,45.5 44.5,19.4 45.3,18.6 45.3,17.94 44.5,17.14 v1(44.5,11)
Board_0-/AUDIO_OUT2P: length 53.4
  Top w0.5: v1(37.5,34.5) 49,34.5 51.45,32.05 C9.1 53.89,28.74 C9.1
  Bottom w0.5: board_outline1.25 41.71,57.21 37.5,53 v1(37.5,34.5)
Board_0-/AUDIO_OUTP: length 54.4
  Top w0.5: C7.1 41.89,28.74 C7.1 34.05,32.05 v1(34,32)
  Bottom w0.5: v1(34,32) 34,57 39.29,62.29 board_outline1.21
Board_0-/ESP32_IO1: length 26.5
  In2.Cu w0.2: v1(68.5,24.5) 68.56,24.56 85.66,24.56 U2.35
  In4.Cu w0.2: U1.20 68.5,19.55 v1(68.5,24.5)
Board_0-/ESP32_IO3: length 27.6
  In2.Cu w0.2: v1(70.97,25.2) 71.18,25 87.44,25 U2.34
  In4.Cu w0.2: U1.21 70.97,19.48 v1(70.97,25.2)
Board_0-/ESP32_IO21_SDA: length 48.4
  Top w0.2: U2.33 89.8,27.7 90,27.5 95.5,27.5
  In2.Cu w0.2: ESP_I1.1 118.3,37 v1(91,37)
  In4.Cu w0.2: U2.33 91,31.1 v1(91,37)
Board_0-/ESP32_IO22_SCL: length 51.6
  Top w0.2: U2.36 87.68,20 95.5,20
  In2.Cu w0.2: v1(92.75,33.82) 93.05,34.12 118.3,34.12 118.8,33.62 ESP_I1.3
  In4.Cu w0.2: U2.36 88,20.08 92.75,24.83 v1(92.75,33.82)
Board_0-/OUTPUTA: length 85.1
  In2.Cu w0.2: v1(110.5,26) 110.45,26.05 U1.32 ; v1(115,14.5) 119,14.5 124.3,19.8 124.3,49.64 ESP_R_ENC1.1
  In4.Cu w0.2: v1(115,14.5) 115,18.08 U2.3 110.5,22.58 v1(110.5,26)
Board_0-/OUTPUTB: length 79.5
  In2.Cu w0.2: ESP_R_ENC1.2 123.95,47.45 123.95,20.08 119.37,15.5 v1(115.65,15.5) ; U2.4 98.62,22.62 97.77,21.77 86.85,21.77 85.11,23.51 U1.31
  In4.Cu w0.2: v1(115.65,15.5) 115.65,20.37 113.4,22.62 U2.4
Board_0-/SWITCH: length 70.4
  In2.Cu w0.2: v1(115,46) 116,45 121.22,45 ESP_R_ENC1.3 ; U2.11 111.31,42.09 85.91,42.09 v1(85,43)
  In4.Cu w0.2: v1(115,46) 114.67,46.33 112.25,46.33 111.75,45.83 111.75,41.25 112.6,40.4 U2.11 ; U1.30 85,23.35 v1(85,43)
Board_0-BCLK1: length 21.7
  Top w0.2: v1(62.5,52) 61.47,53.03 U7.5 60.47,53.03 59.17,54.33 U7.2
  In2.Cu w0.2: v1(76.54,56.66) 76.38,56.5 68.9,56.5 67.88,55.48 65.98,55.48 v1(62.5,52)
Board_0-BCLK1+TDM1: length 78
  Top w0.2: R44.2 v1(64,55)
  In2.Cu w0.2: v1(41.5,70.4) 35.39,70.4 33.5,72.29 13.73,72.29 TDM2.11 ; v1(65,72.5) 43.78,72.5 41.28,75
  In4.Cu w0.2: 41.28,75 41.28,70.63 v1(41.5,70.4) ; v1(64,55) 65,56 v1(65,72.5)
Board_0-BCLK1+TDM2: length 65.1
  In2.Cu w0.2: TDM1.11 13.39,35.63 43.41,35.63 43.73,35.95 45.8,35.95 46.12,35.63 56.13,35.63 v1(56.5,36)
  In4.Cu w0.2: v1(56.5,36) 56.5,45 57,45.5 57,53 v1(55,55)
Board_0-DEVICE_D1+: length 38.5
  In2.Cu w0.2: 82.42,100.9 82.42,92.92 USB_THRU1.3
  In4.Cu w0.2: U1.67 73.73,84.22 USB_THRU1.3
Board_0-DEVICE_D1-: length 43.5
  In2.Cu w0.2: USBC1.A7 81.57,94.61 USB_THRU1.2
  In4.Cu w0.2: USB_THRU1.2 80.07,93.1 81.96,93.1 82.61,92.46 82.61,91.54 76.27,85.21 U1.66
Board_0-ESP32_EN: length 56.6
  Top w0.2: C4.1 112.96,17.5 U2.2
  In2.Cu w0.2: v1(85.5,15.99) 111.05,15.99 112.6,17.54 U2.2 113.4,17.54 114.2,16.74 120.12,16.74 123.6,20.23 123.6,27.34 ESP_PROG1.1
  In4.Cu w0.2: U1.29 85.06,15.99 v1(85.5,15.99)
Board_0-ESP32_IO0: length 90
  Top w0.2: U2.25 87.62,48 C5.1
  In2.Cu w0.2: U1.28 85.03,18.3 86.82,18.3 86.91,18.39 88.62,18.39 88.71,18.3 89.29,18.3 89.38,18.39 109.11,18.39 109.5,18 110.38,18.88 118.51,18.88 119.36,19.72 121.06,19.72 121.06,21.92 ESP_PROG1.3
  In4.Cu w0.2: U1.28 81.57,16.94 81.57,18.87 82.18,19.48 82.62,19.48 86,22.86 86,43.78 86.85,44.63 88.35,44.63 88.85,45.13 88.85,47.17 88,48.02 U2.25
Board_0-ESP32_IO12_SPI_MISO: length 62.9
  In2.Cu w0.2: U1.14 68.43,34.72 85.78,34.72 86.87,33.63 92.02,33.63 92.48,33.17 92.94,33.17 93.4,33.63 115.52,33.63 v1(115.65,33.5)
  In4.Cu w0.2: U2.13 113.4,45.48 115.65,43.23 v1(115.65,33.5)
